# Altium PCB BlueberryPiCore.PcbDoc (part 1 of 3)
Units mm, origin at the board's own origin, x right, y up, seen from the top; angles counter-clockwise.
Board outline 31 x 24 mm, 6 copper layers (Top Layer, GND1, SIG1, SIG2, PWR, Bottom Layer), stack 0.748 mm thick; 90 components, 183 nets, 829 pads, 387 vias.
Unrouted connection lines stored in the file: 15.
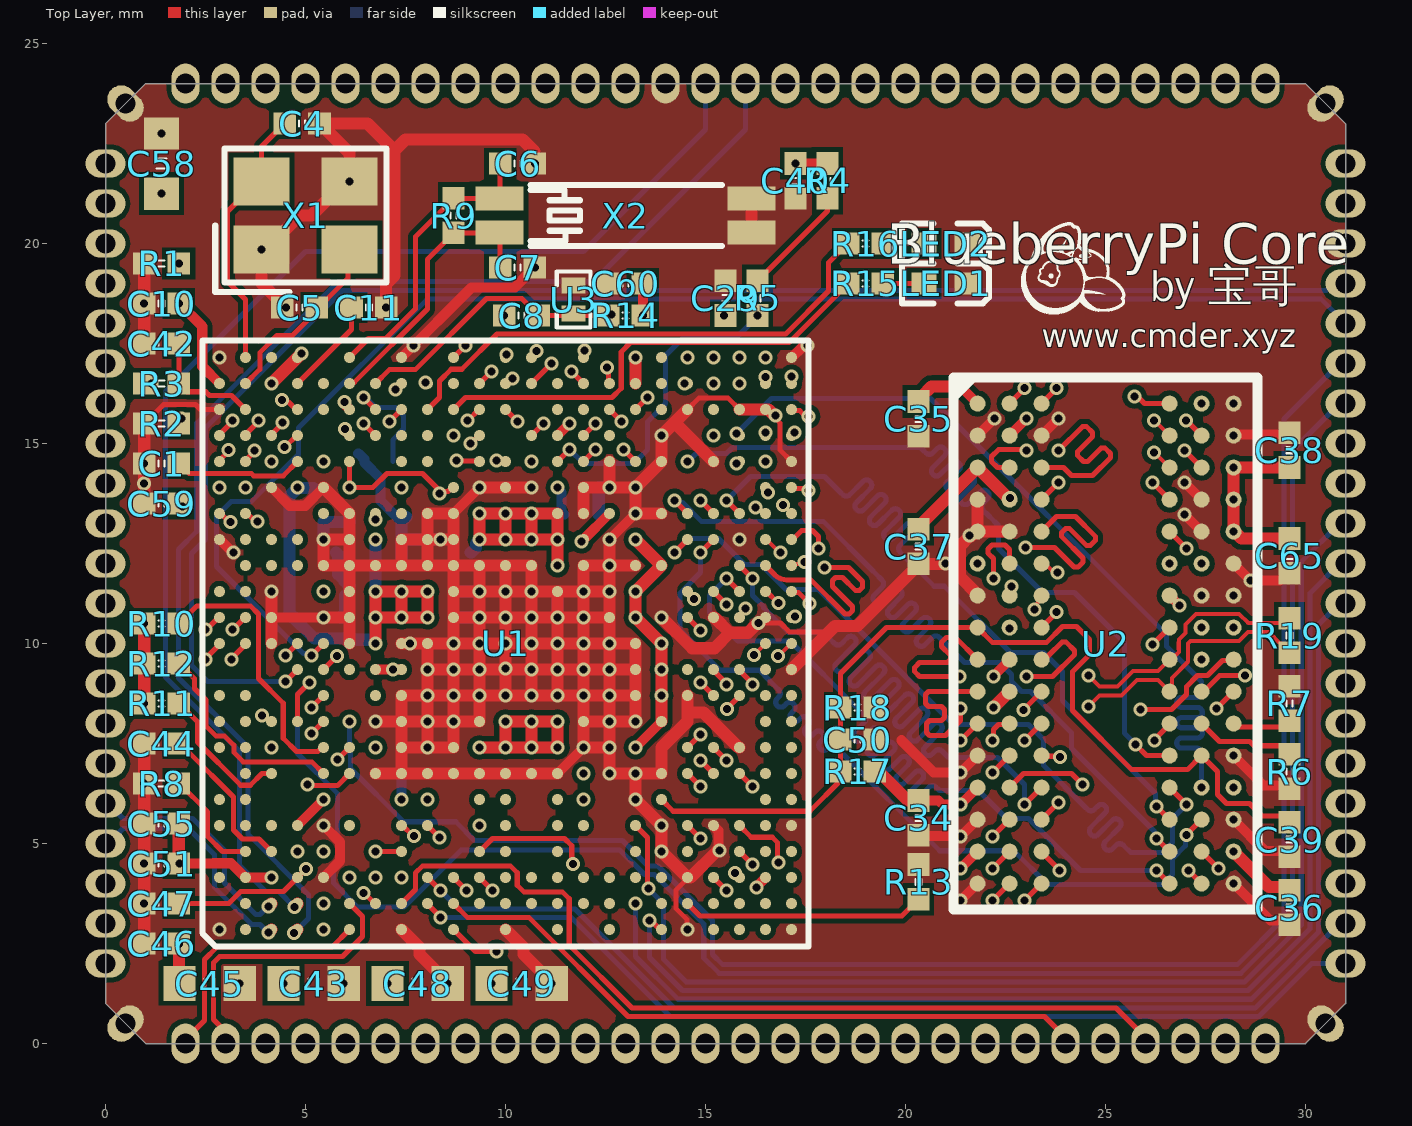
[diagram p0: Top Layer view]
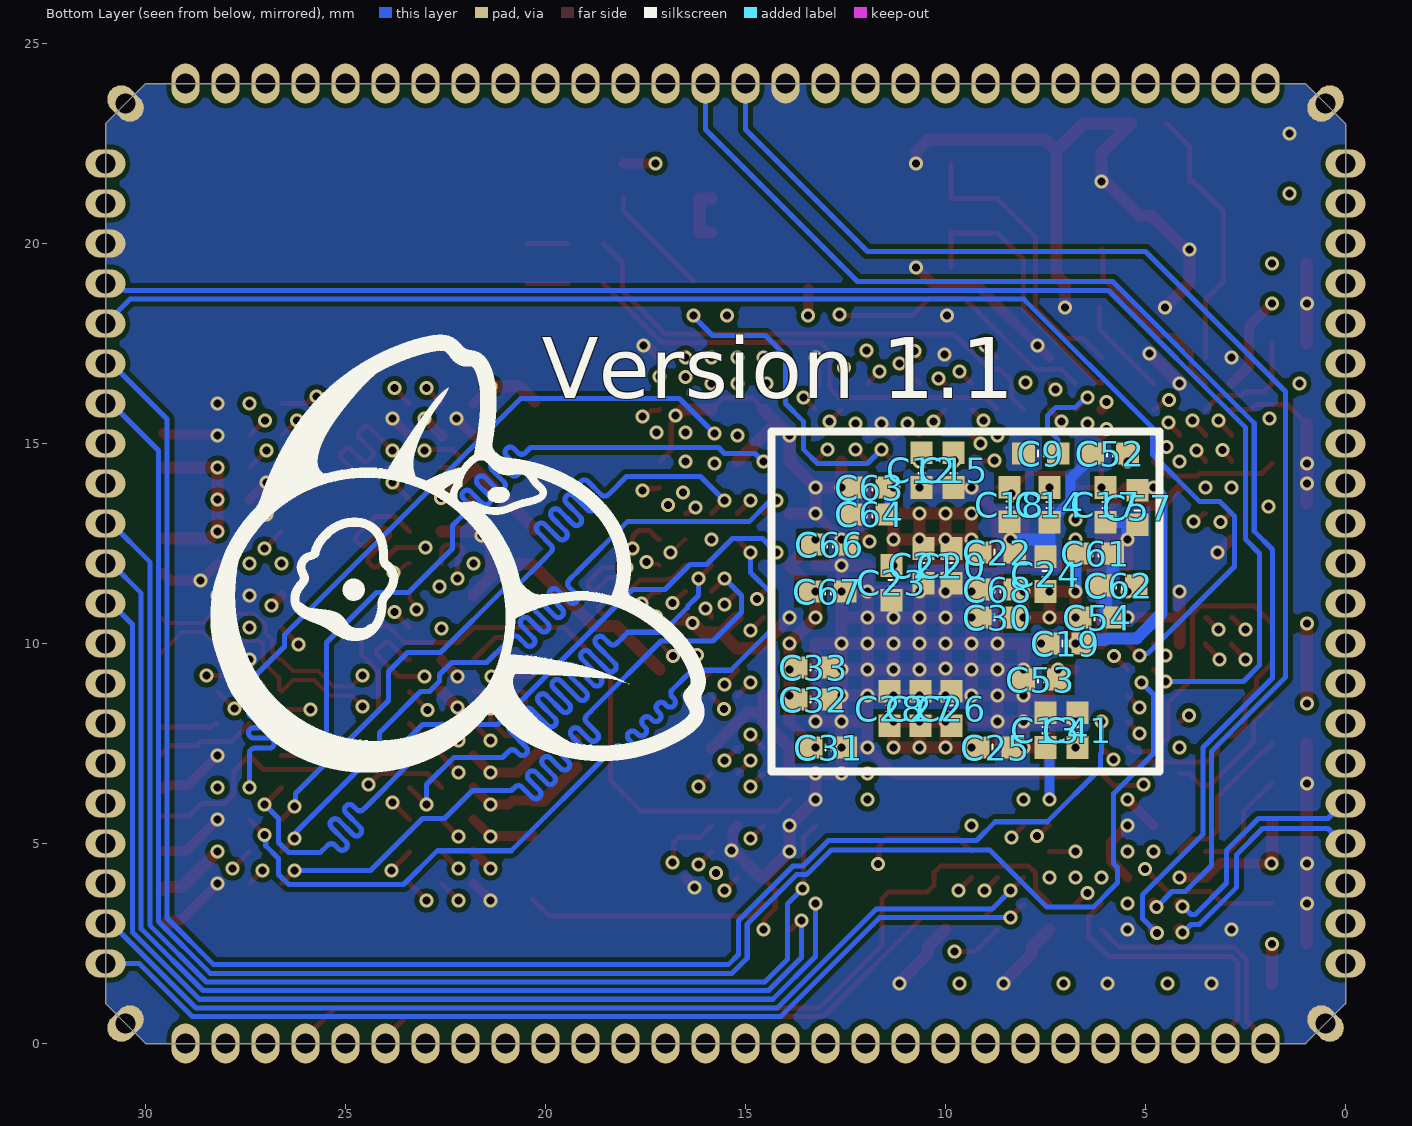
[diagram p1: Bottom Layer view, seen from below]
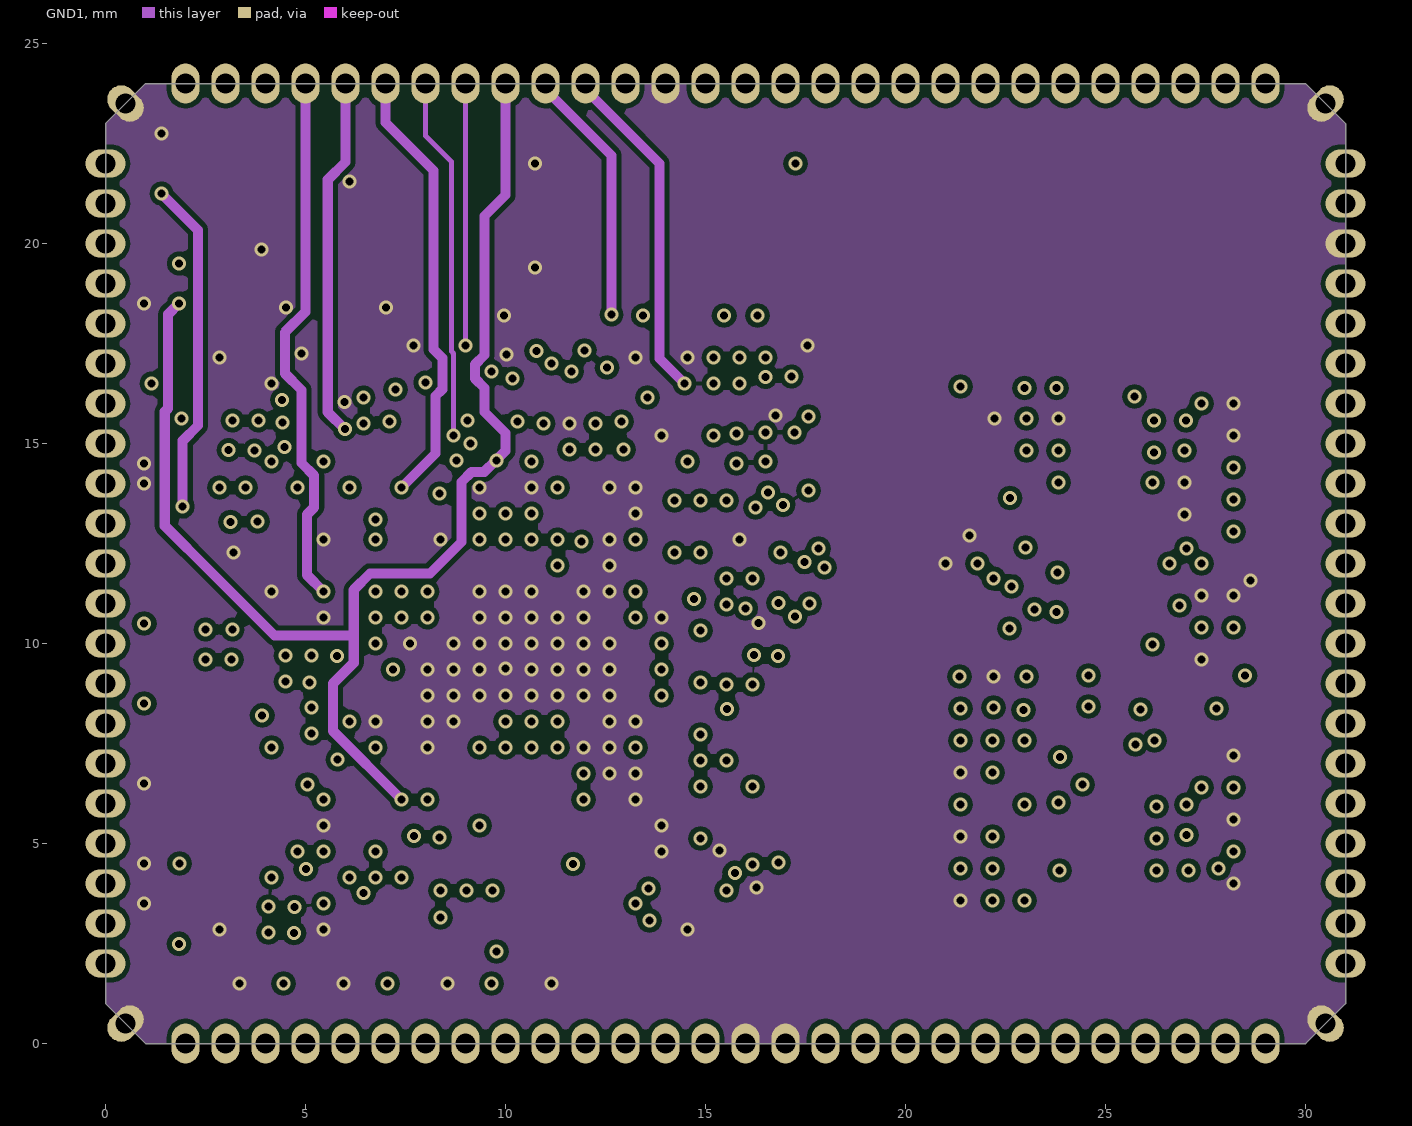
[diagram p2: GND1]
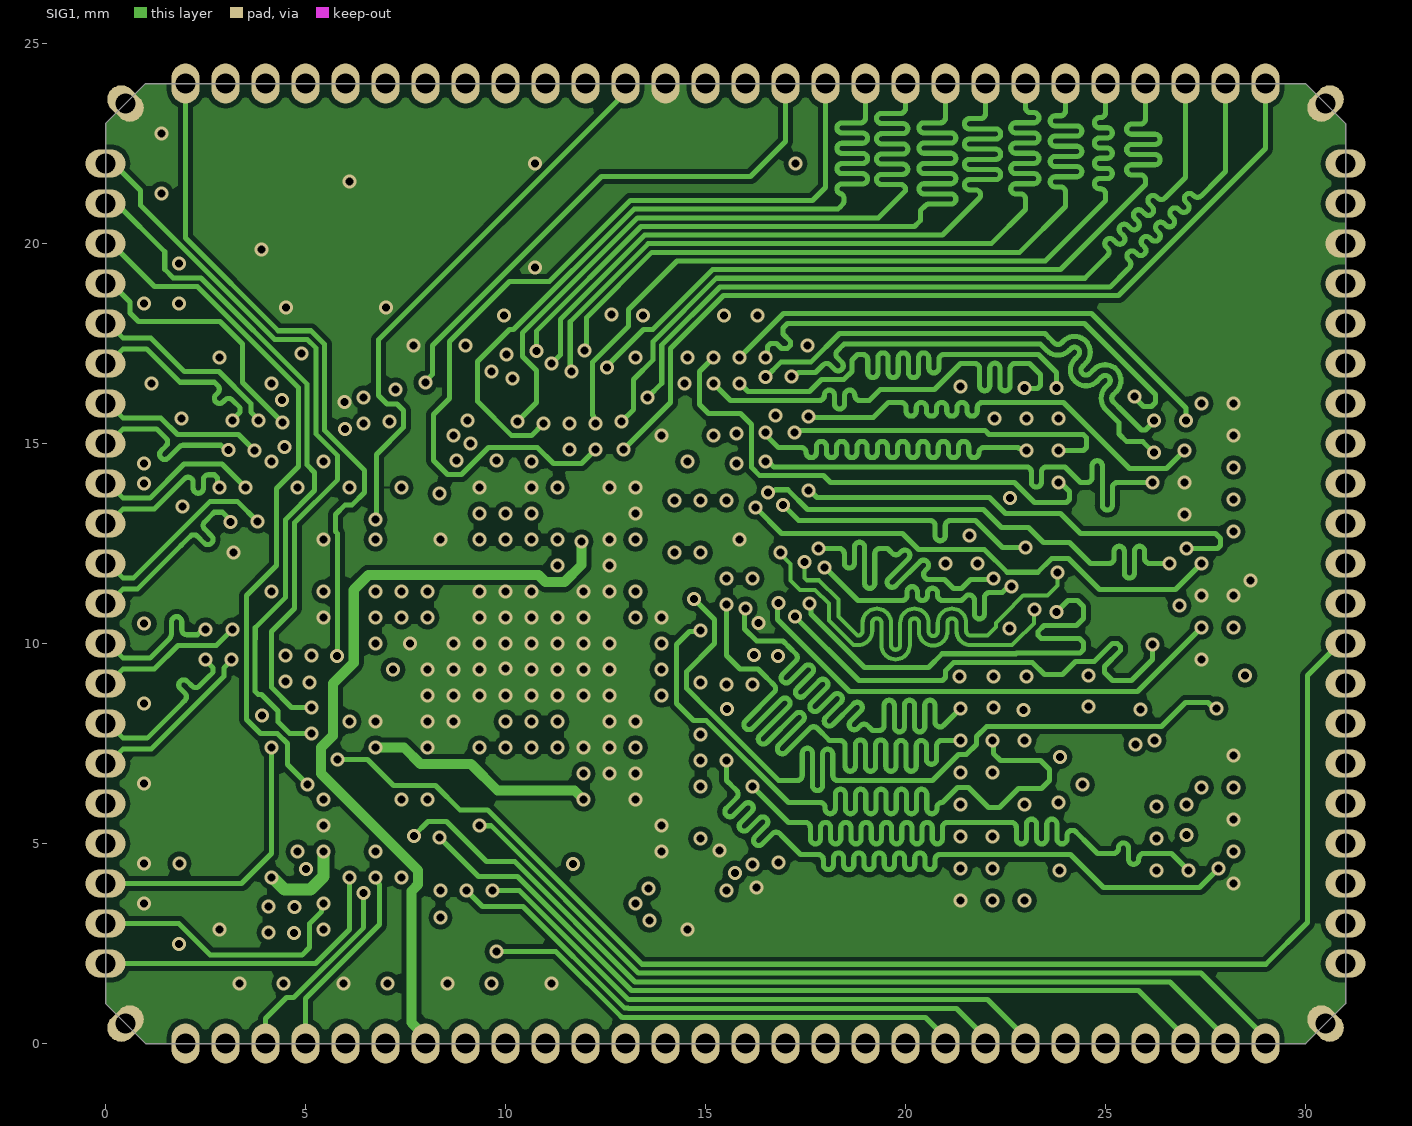
[diagram p3: SIG1]
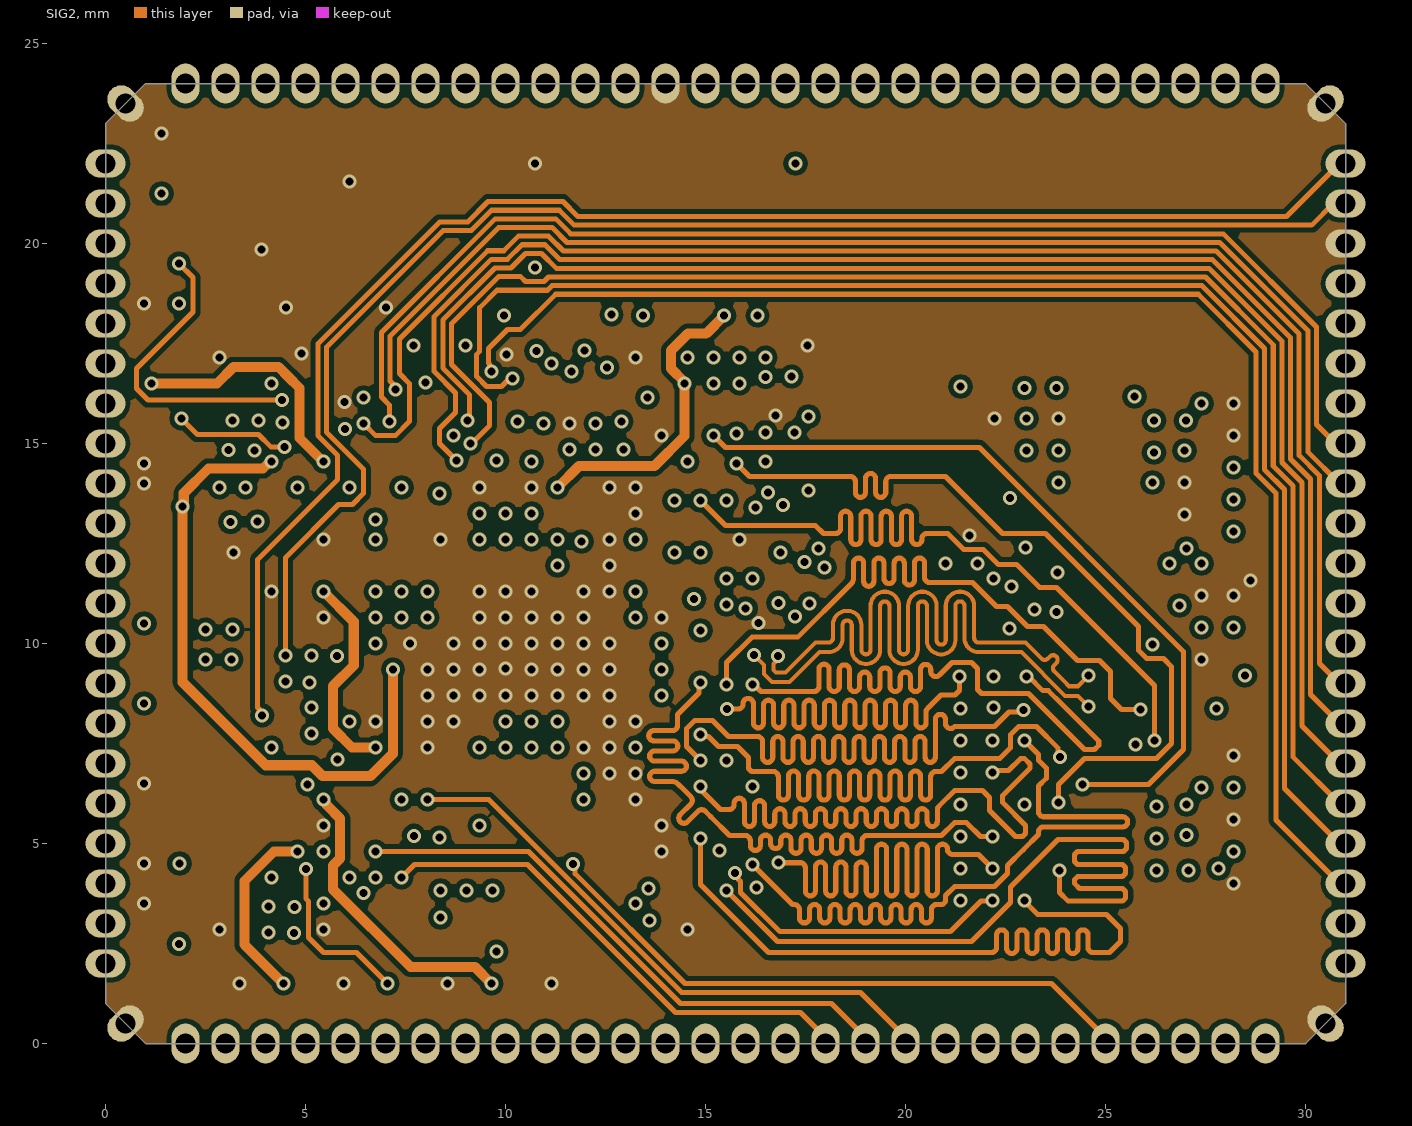
[diagram p4: SIG2]
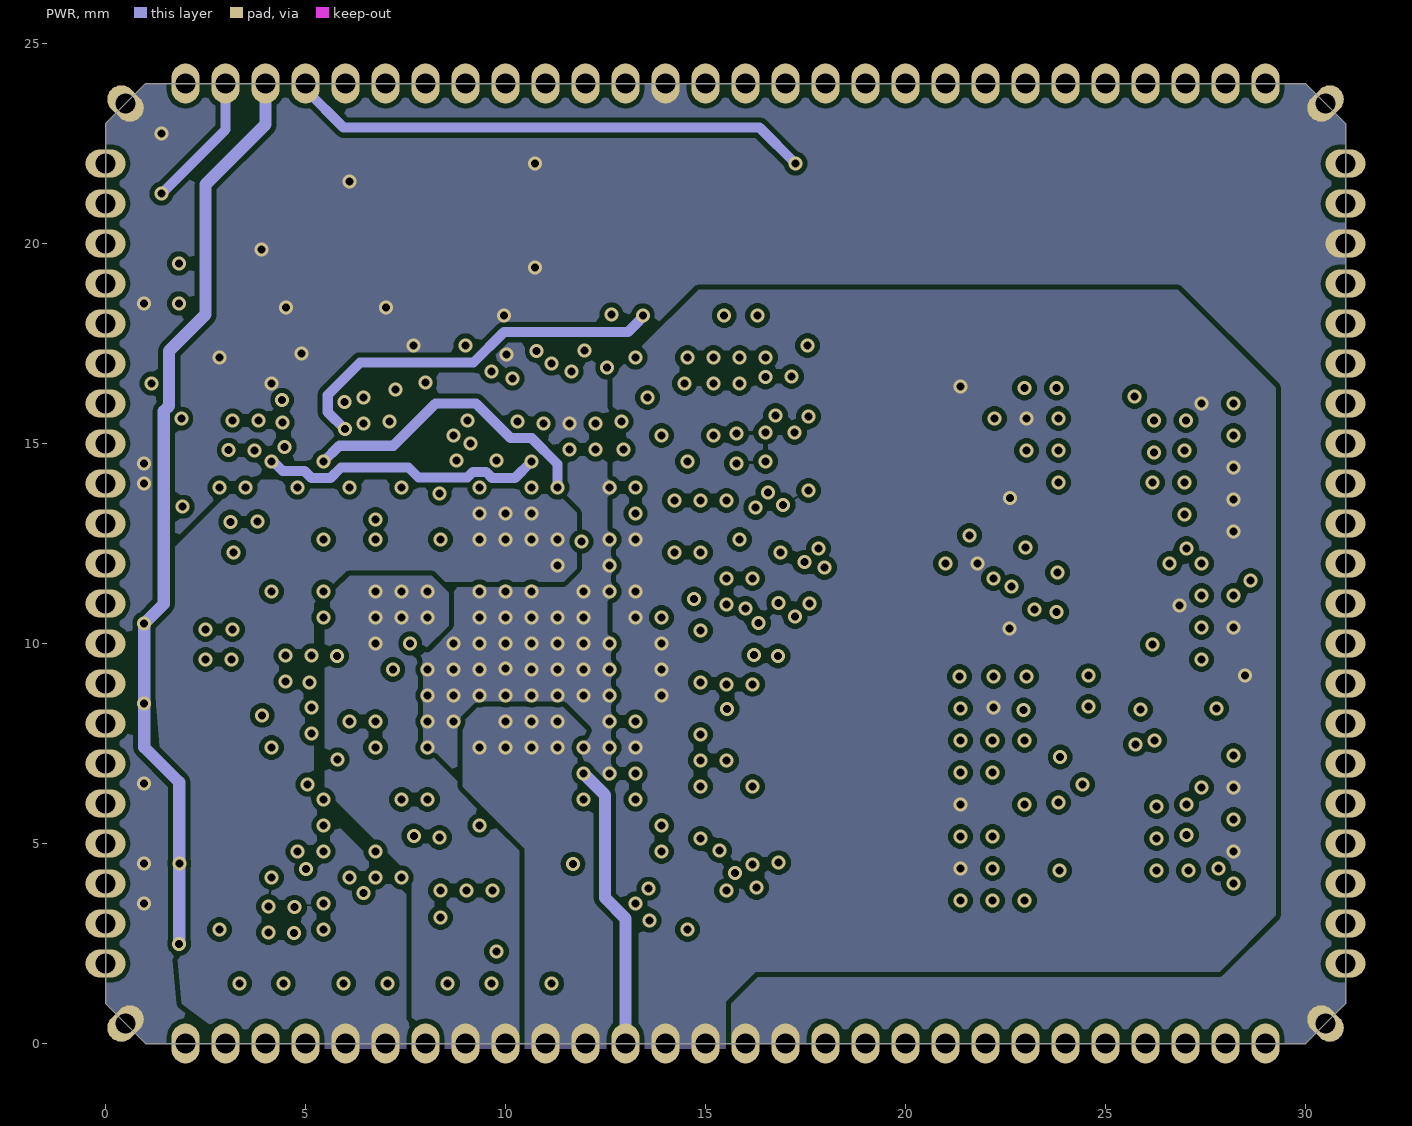
[diagram p5: PWR]

## Layer stack, top to bottom
Top Solder: solder mask 0.0102, Solder Resist, Dk 3.5
Top Layer: signal copper 0.0356
Dielectric 2: prepreg 0.0711, PP-006, Dk 4.1
GND1: signal copper 0.018
Dielectric 4: prepreg 0.0711, PP-006, Dk 4.1
SIG1: signal copper 0.018
Dielectric 1: dielectric 0.32, FR-4, Dk 4.8
SIG2: signal copper 0.018
Dielectric 5: prepreg 0.0711, PP-006, Dk 4.1
PWR: signal copper 0.018
Dielectric 3: prepreg 0.0711, PP-006, Dk 4.1
Bottom Layer: signal copper 0.0356
Bottom Solder: solder mask 0.0102, Solder Resist, Dk 3.5

## Board outline
1,0 0,1 0,23 1,24 30,24 31,23 31,1 30,0

## Design rules (kind name [scope] priority, off if disabled: settings)
Clearance Polygon [InPolygon] p1: gap=0.127 ignorepadtopadclearanceinfootprint=TRUE
Clearance [All] p2: gap=0.089 ignorepadtopadclearanceinfootprint=TRUE except(0.254: SMDPad-SMDPad)
ComponentClearance [All] p1 off: gap=0.254 collisioncheckmode=3 verticalgap=0.254 showdistances=FALSE
DiffPairsRouting [InDifferentialPairClass('All Differential Pairs')] p1: maxlimit=0.203 minlimit=0.127 mostfreqgap=0.14 toplayer_maxgap=0.127 toplayer_prefgap=0.127 toplayer_minwidth=0.102 toplayer_maxwidth=0.127 toplayer_prefwidth=0.102 midlayer1_mingap=0.14 midlayer1_minwidth=0.102 midlayer1_maxwidth=0.127 midlayer1_prefwidth=0.102 midlayer2_mingap=0.14 midlayer2_minwidth=0.102 midlayer2_maxwidth=0.127 midlayer2_prefwidth=0.102 midlayer3_mingap=0.14 midlayer3_minwidth=0.102 midlayer3_maxwidth=0.127 midlayer3_prefwidth=0.102 midlayer4_mingap=0.14 midlayer4_minwidth=0.102 midlayer4_maxwidth=0.127 midlayer4_prefwidth=0.102 bottomlayer_maxgap=0.127 bottomlayer_prefgap=0.127 bottomlayer_minwidth=0.102 bottomlayer_maxwidth=0.127 bottomlayer_prefwidth=0.102 maxuncoupledlength=12.7
FanoutControl Fanout_BGA [IsBGA] p1: bgadir=NE bgaviamode=Closest fanoutstyle=Auto fanoutdirection=Alternating viagrid=0.025 // Fanout_BGA (Default Rule)
HoleToHoleClearance [All] p1: gap=0.127 allowstackedmicrovias=TRUE
MinimumSolderMaskSliver [All] p1: minsoldermaskwidth=0
PolygonConnect [All] p1: connectstyle=Direct reliefconductorwidth=0.254 reliefentries=4 polygonreliefangle="90 Angle" airgapwidth=0.254
RoutingVias [All] p1: holewidth=0.3 width=0.4 viastyle="Through Hole" minholewidth=0.2 minwidth=0.35 maxholewidth=0.711 maxwidth=1.27
ShortCircuit [All] p1: allowed=TRUE
SilkToSilkClearance [All] p1: silktosilkclearance=0
SilkToSolderMaskClearance [IsPad] p1: minsilkscreentomaskgap=0 clearancetoexposedcopper=TRUE
SolderMaskExpansion [IsVia] p1: expansion=0.102 istentingtop=TRUE
Width [All] p1: maxlimit=1.016 minlimit=0.102 preferedwidth=0.127 minimp=50.000000 maximp=50.000000 favimp=50.000000
22 further rules are at their usual default settings.

## Classes and differential pairs
net class EMMC: EMMC-CLK EMMC-CMD EMMC-D0 EMMC-D1 EMMC-D2 EMMC-D3 EMMC-D4 EMMC-D5 EMMC-D6 EMMC-D7 EMMC-DS EMMC-RST
differential pair class 100ohm: HTX0 HTX1 HTX2 HTXC SCK SDQS0 SDQS1
differential pair class 90ohm: USB0 USB1 USB1-SSRX USB1-SSTX USB3
net class DDR3_CLK_CTL_CMD: SA0 SA1 SA2 SA3 SA4 SA5 SA6 SA7 SA8 SA9 SA10 SA11 SA12 SA13 SA14 SA15 SBA0 SBA1 SBA2 SCAS SCK_N SCK_P SCKE0 SCKE1 SCS0 SCS1 SODT0 SODT1 SRAS SWE
net class DDR3_SDQ8-15: SDQ8 SDQ9 SDQ10 SDQ11 SDQ12 SDQ13 SDQ14 SDQ15 SDQM1 SDQS1_N SDQS1_P
net class DDR3_SDQ0-7: SDQ0 SDQ1 SDQ2 SDQ3 SDQ4 SDQ5 SDQ6 SDQ7 SDQM0 SDQS0_N SDQS0_P
differential pair MIC1: +MIC1_P -MIC1_N
differential pair USB3: +USB3_P -USB3_N
differential pair USB0: +USB0_P -USB0_N
differential pair SDQS1: +SDQS1_P -SDQS1_N
differential pair SDQS0: +SDQS0_P -SDQS0_N
differential pair HTXC: +HTXC_P -HTXC_N
differential pair HTX2: +HTX2_P -HTX2_N
differential pair HTX1: +HTX1_P -HTX1_N
differential pair HTX0: +HTX0_P -HTX0_N
differential pair SCK: +SCK_P -SCK_N

## Components (designator, comment, footprint, x,y, rotation, side; value= is the part's Value field where it differs from the comment)
C1 "1uF" C0402 1.4,14.5 r180 top value=100nF
C4 "12pF" C0402 4.917,23 r0 top value=100nF
C5 "12pF" C0402 4.85,18.4 r180 top value=100nF
C6 "7pF" C0402 10.3,22 r0 top value=100nF
C7 "7pF" C0402 10.3,19.4 r0 top value=100nF
C8 "1nF" C0402 10.4,18.2 r0 top value=100nF
C9 "1nF" C0402 7.617,14.75 r180 bottom value=100nF
C10 "100nF" C0402 1.4,18.5 r0 top
C11 "220nF" C0402 6.583,18.4 r180 top value=100nF
C12 "100nF" C0402 10.6,14.333 r90 bottom
C13 "100nF" C0402 7.5,7.833 r270 bottom
C14 "100nF" C0402 7.4,13.467 r90 bottom
C15 "100nF" C0402 9.8,14.333 r90 bottom
C17 "4.7uF" C0402 6,13.467 r90 bottom value=100nF
C18 "100nF" C0402 8.4,13.475 r90 bottom
C19 "1uF" C0402 7,10 r180 bottom value=100nF
C20 "1uF" C0402 9.85,11.942 r90 bottom value=100nF
C21 "1uF" C0402 10.55,11.942 r90 bottom value=100nF
C22 "100nF" C0402 8.7,12.275 r0 bottom
C23 "100nF" C0402 11.35,11.517 r90 bottom
C24 "1uF" C0402 7.5,11.733 r270 bottom value=100nF
C25 "1uF" C0402 8.75,7.4 r0 bottom value=100nF
C26 "1uF" C0402 9.85,8.375 r270 bottom value=100nF
C27 "100nF" C0402 10.625,8.375 r270 bottom
C28 "100nF" C0402 11.4,8.375 r270 bottom
C29 "100nF" C0402 15.5,18.633 r270 top
C30 "100nF" C0402 8.7,10.65 r180 bottom
C31 "1uF" C0402 12.925,7.4 r0 bottom value=100nF
C32 "100nF" C0402 13.3,8.6 r0 bottom
C33 "100nF" C0402 13.3,9.4 r0 bottom
C34 "1uF" C0402 20.325,5.642 r90 top value=100nF
C35 "100nF" C0402 20.325,15.617 r90 top
C36 "100nF" C0402 29.6,3.4 r90 top
C37 "100nF" C0402 20.325,12.425 r90 top
C38 "100nF" C0402 29.6,14.833 r270 top
C39 "100nF" C0402 29.6,5.1 r90 top
C40 "1uF" C0402 17.25,21.567 r90 top value=100nF
C41 "100nF" C0402 6.7,7.833 r270 bottom
C42 "100nF" C0402 1.4,17.5 r0 top
C43 "4.7uF" C0603 5.2,1.5 r180 top value=100nF
C44 "100nF" C0402 1.4,7.5 r0 top
C45 "10uF" C0603 2.6,1.5 r180 top value=100nF
C46 "100nF" C0402 1.4,2.5 r0 top
C47 "100nF" C0402 1.4,3.5 r0 top
C48 "10uF" C0603 7.8,1.5 r180 top value=100nF
C49 "4.7uF" C0603 10.4,1.5 r180 top value=100nF
C50 "100nF" C0402 18.8,7.6 r180 top
C51 "100nF" C0402 1.4,4.5 r0 top
C52 "100nF" C0402 5.883,14.75 r180 bottom
C53 "100nF" C0402 7.617,9.1 r180 bottom
C54 "100nF" C0402 6.2,10.65 r0 bottom
C55 "100nF" C0402 1.4,5.5 r0 top
C57 "100nF" C0402 5.2,13.4 r90 bottom
C58 "4.7uF" C0603 1.4,22 r270 top value=100nF
C59 "100nF" C0402 1.4,13.5 r0 top
C60 "100nF" C0402 13,19 r0 top
C61 "100nF" C0402 6.25,12.25 r0 bottom
C62 "100nF" C0402 5.667,11.45 r180 bottom
C63 "100nF" C0402 11.9,13.9 r180 bottom
C64 "100nF" C0402 11.9,13.226 r180 bottom
C65 "100nF" C0402 29.6,12.192 r90 top
C66 "100nF" C0402 12.892,12.475 r0 bottom
C67 "100nF" C0402 12.942,11.3 r0 bottom
C68 "100nF" C0402 8.7,11.35 r180 bottom
LED1 "LED" LED0402-RD 21,19 r180 top
LED2 "LED" LED0402-RD 21,20 r180 top
R1 "150k" R0402 1.4,19.5 r180 top value=1kΩ
R2 "10k" R0402 1.4,15.5 r180 top value=1kΩ
R3 "1k" R0402 1.4,16.5 r180 top value=1kΩ
R4 "10k" R0402 18.05,21.567 r270 top value=1kΩ
R5 "1k" R0402 16.3,18.633 r270 top value=1kΩ
R6 "240" R0402 29.6,6.8 r90 top value=1kΩ
R7 "240" R0402 29.6,8.5 r270 top value=1kΩ
R8 "6k04" R0402 1.4,6.5 r0 top value=1kΩ
R9 "10M" R0402 8.7,20.7 r90 top value=1kΩ
R10 "2k" R0402 1.4,10.5 r180 top value=1kΩ
R11 "2k" R0402 1.4,8.5 r180 top value=1kΩ
R12 "10k" R0402 1.4,9.5 r180 top value=1kΩ
R13 "240" R0402 20.325,4.042 r270 top value=1kΩ
R14 "1k" R0402 13,18.2 r180 top value=1kΩ
R15 "330" R0402 19,19 r0 top value=1kΩ
R16 "330" R0402 19,20 r0 top value=1kΩ
R17 "2k" R0402 18.8,6.8 r0 top value=1kΩ
R18 "2k" R0402 18.8,8.4 r180 top value=1kΩ
R19 "100" R0402 29.6,10.2 r270 top value=1kΩ
U1 "Allwinner_H6" BGA451_ALLWINNER_H6 10,10 r90 top locked
U2 "DDR3" FBGA-96_L13.3-W7.5-R16-C6-P0.80-TL 25,10 r0 top locked
U3 "ESD5451N" DFN1006-2L_L1.0-W0.6-P0.70-BI 11.7,18.6 r270 top
X1 "X322524MOB4SI" CRYSTAL-SMD_4P-L3.2-W2.5-BL 5,20.7 r0 top value=24MHz
X2 "MC-14632.768kHz7.0pF20PPM" MC-146_4P-L6.7-W1.5-P0.85-TL 13,20.7 r0 top value=32.768kHz

## Footprints (in the part's own frame and the unit in brackets; to place one, negate y for a bottom-side part, rotate by r counter-clockwise, add the part's x,y. Pads: shape width x height; smd on the part's side, far side on the other; paste and mask are expansions set on the pad)
BGA451_ALLWINNER_H6 [mm]
  round 0.28 smd paste-100 mask+0.051: A1(-7.15,7.15) A3(-5.85,7.15) A5(-4.55,7.15) A6(-3.9,7.15) A8(-2.6,7.15) A9(-1.95,7.15) A10(-1.3,7.15) A12(0,7.15) A13(0.65,7.15) A14(1.3,7.15) A16(2.6,7.15) A17(3.25,7.15) A18(3.9,7.15) A19(4.55,7.15) A20(5.2,7.15) A21(5.85,7.15) A22(6.5,7.15) A23(7.15,7.15) AA1(-7.15,-5.85) AA2(-6.5,-5.85) AA3(-5.85,-5.85) AA4(-5.2,-5.85) AA5(-4.55,-5.85) AA7(-3.25,-5.85) AA8(-2.6,-5.85) AA10(-1.3,-5.85) AA11(-0.65,-5.85) AA13(0.65,-5.85) AA14(1.3,-5.85) AA15(1.95,-5.85) AA16(2.6,-5.85) AA17(3.25,-5.85) AA19(4.55,-5.85) AA20(5.2,-5.85) AA21(5.85,-5.85) AA22(6.5,-5.85) AA23(7.15,-5.85) AB1(-7.15,-6.5) AB2(-6.5,-6.5) AB3(-5.85,-6.5) AB4(-5.2,-6.5) AB5(-4.55,-6.5) AB6(-3.9,-6.5) AB7(-3.25,-6.5) AB8(-2.6,-6.5) AB9(-1.95,-6.5) AB10(-1.3,-6.5) AB11(-0.65,-6.5) AB12(0,-6.5) AB13(0.65,-6.5) AB14(1.3,-6.5) AB15(1.95,-6.5) AB16(2.6,-6.5) AB17(3.25,-6.5) AB18(3.9,-6.5) AB19(4.55,-6.5) AB20(5.2,-6.5) AB21(5.85,-6.5) AB22(6.5,-6.5) AB23(7.15,-6.5) AC1(-7.15,-7.15) AC2(-6.5,-7.15) AC3(-5.85,-7.15) AC4(-5.2,-7.15) AC5(-4.55,-7.15) AC6(-3.9,-7.15) AC7(-3.25,-7.15) AC8(-2.6,-7.15) AC9(-1.95,-7.15) AC10(-1.3,-7.15) AC11(-0.65,-7.15) AC12(0,-7.15) AC13(0.65,-7.15) AC14(1.3,-7.15) AC15(1.95,-7.15) AC16(2.6,-7.15) AC17(3.25,-7.15) AC18(3.9,-7.15) AC19(4.55,-7.15) AC20(5.2,-7.15) AC21(5.85,-7.15) AC22(6.5,-7.15) AC23(7.15,-7.15) B1(-7.15,6.5) B2(-6.5,6.5) B3(-5.85,6.5) B4(-5.2,6.5) B5(-4.55,6.5) B6(-3.9,6.5) B7(-3.25,6.5) B8(-2.6,6.5) B9(-1.95,6.5) B10(-1.3,6.5) B12(0,6.5) B13(0.65,6.5) B14(1.3,6.5) B15(1.95,6.5) B16(2.6,6.5) B17(3.25,6.5) B18(3.9,6.5) B19(4.55,6.5) B20(5.2,6.5) B21(5.85,6.5) B22(6.5,6.5) B23(7.15,6.5) C1(-7.15,5.85) C2(-6.5,5.85) C3(-5.85,5.85) C4(-5.2,5.85) C5(-4.55,5.85) C7(-3.25,5.85) C8(-2.6,5.85) C9(-1.95,5.85) C12(0,5.85) C13(0.65,5.85) C14(1.3,5.85) C15(1.95,5.85) C16(2.6,5.85) C18(3.9,5.85) C19(4.55,5.85) C20(5.2,5.85) C22(6.5,5.85) C23(7.15,5.85) D1(-7.15,5.2) D2(-6.5,5.2) D3(-5.85,5.2) D4(-5.2,5.2) D5(-4.55,5.2) D9(-1.95,5.2) D11(-0.65,5.2) D12(0,5.2) D15(1.95,5.2) D16(2.6,5.2) D18(3.9,5.2) D19(4.55,5.2) D20(5.2,5.2) D21(5.85,5.2) D22(6.5,5.2) D23(7.15,5.2) E1(-7.15,4.55) E2(-6.5,4.55) E3(-5.85,4.55) E4(-5.2,4.55) E5(-4.55,4.55) E6(-3.9,4.55) E7(-3.25,4.55) E8(-2.6,4.55) E9(-1.95,4.55) E10(-1.3,4.55) E11(-0.65,4.55) E12(0,4.55) E13(0.65,4.55) E14(1.3,4.55) E15(1.95,4.55) E16(2.6,4.55) E17(3.25,4.55) E18(3.9,4.55) E19(4.55,4.55) E21(5.85,4.55) E22(6.5,4.55) F1(-7.15,3.9) F2(-6.5,3.9) F3(-5.85,3.9) F5(-4.55,3.9) F7(-3.25,3.9) F8(-2.6,3.9) F9(-1.95,3.9) F11(-0.65,3.9) F12(0,3.9) F13(0.65,3.9) F14(1.3,3.9) F15(1.95,3.9) F16(2.6,3.9) F17(3.25,3.9) F19(4.55,3.9) F20(5.2,3.9) F21(5.85,3.9) F22(6.5,3.9) F23(7.15,3.9) G2(-6.5,3.25) G3(-5.85,3.25) G7(-3.25,3.25) G8(-2.6,3.25) G9(-1.95,3.25) G10(-1.3,3.25) G11(-0.65,3.25) G12(0,3.25) G13(0.65,3.25) G14(1.3,3.25) G15(1.95,3.25) G16(2.6,3.25) G17(3.25,3.25) G20(5.2,3.25) G21(5.85,3.25) G22(6.5,3.25) H1(-7.15,2.6) H2(-6.5,2.6) H3(-5.85,2.6) H4(-5.2,2.6) H5(-4.55,2.6) H6(-3.9,2.6) H7(-3.25,2.6) H8(-2.6,2.6) H9(-1.95,2.6) H10(-1.3,2.6) H11(-0.65,2.6) H12(0,2.6) H13(0.65,2.6) H14(1.3,2.6) H15(1.95,2.6) H16(2.6,2.6) H17(3.25,2.6) H18(3.9,2.6) H19(4.55,2.6) H20(5.2,2.6) H21(5.85,2.6) H22(6.5,2.6) H23(7.15,2.6) J2(-6.5,1.95) J3(-5.85,1.95) J5(-4.55,1.95) J6(-3.9,1.95) J7(-3.25,1.95) J8(-2.6,1.95) J9(-1.95,1.95) J10(-1.3,1.95) J11(-0.65,1.95) J12(0,1.95) J13(0.65,1.95) J14(1.3,1.95) J15(1.95,1.95) J16(2.6,1.95) J17(3.25,1.95) J19(4.55,1.95) J20(5.2,1.95) J21(5.85,1.95) J22(6.5,1.95) K1(-7.15,1.3) K2(-6.5,1.3) K3(-5.85,1.3) K7(-3.25,1.3) K8(-2.6,1.3) K9(-1.95,1.3) K10(-1.3,1.3) K11(-0.65,1.3) K12(0,1.3) K13(0.65,1.3) K14(1.3,1.3) K15(1.95,1.3) K16(2.6,1.3) K17(3.25,1.3) K18(3.9,1.3) K20(5.2,1.3) K21(5.85,1.3) K22(6.5,1.3) K23(7.15,1.3) L2(-6.5,0.65) L3(-5.85,0.65) L4(-5.2,0.65) L5(-4.55,0.65) L6(-3.9,0.65) L7(-3.25,0.65) L8(-2.6,0.65) L9(-1.95,0.65) L10(-1.3,0.65) L11(-0.65,0.65) L12(0,0.65) L13(0.65,0.65) L14(1.3,0.65) L15(1.95,0.65) L16(2.6,0.65) L17(3.25,0.65) L18(3.9,0.65) L19(4.55,0.65) L20(5.2,0.65) L21(5.85,0.65) L22(6.5,0.65) M1(-7.15,0) M2(-6.5,0) M3(-5.85,0) M4(-5.2,0) M5(-4.55,0) M6(-3.9,0) M7(-3.25,0) M8(-2.6,0) M9(-1.95,0) M10(-1.3,0) M11(-0.65,0) M12(0,0) M13(0.65,0) M14(1.3,0) M15(1.95,0) M16(2.6,0) M17(3.25,0) M18(3.9,0) M19(4.55,0) M21(5.85,0) M22(6.5,0) N2(-6.5,-0.65) N3(-5.85,-0.65) N7(-3.25,-0.65) N8(-2.6,-0.65) N9(-1.95,-0.65) N10(-1.3,-0.65) N11(-0.65,-0.65) N12(0,-0.65) N13(0.65,-0.65) N14(1.3,-0.65) N15(1.95,-0.65) N16(2.6,-0.65) N17(3.25,-0.65) N18(3.9,-0.65) N19(4.55,-0.65) N20(5.2,-0.65) N22(6.5,-0.65) N23(7.15,-0.65) P1(-7.15,-1.3) P2(-6.5,-1.3) P3(-5.85,-1.3) P4(-5.2,-1.3) P5(-4.55,-1.3) P6(-3.9,-1.3) P7(-3.25,-1.3) P8(-2.6,-1.3) P9(-1.95,-1.3) P10(-1.3,-1.3) P11(-0.65,-1.3) P12(0,-1.3) P13(0.65,-1.3) P14(1.3,-1.3) P15(1.95,-1.3) P16(2.6,-1.3) P17(3.25,-1.3) P18(3.9,-1.3) P19(4.55,-1.3) P20(5.2,-1.3) P21(5.85,-1.3) P22(6.5,-1.3) R2(-6.5,-1.95) R3(-5.85,-1.95) R5(-4.55,-1.95) R6(-3.9,-1.95) R7(-3.25,-1.95) R8(-2.6,-1.95) R9(-1.95,-1.95) R10(-1.3,-1.95) R11(-0.65,-1.95) R12(0,-1.95) R13(0.65,-1.95) R14(1.3,-1.95) R15(1.95,-1.95) R16(2.6,-1.95) R17(3.25,-1.95) R18(3.9,-1.95) R19(4.55,-1.95) R20(5.2,-1.95) R21(5.85,-1.95) R22(6.5,-1.95) R23(7.15,-1.95) T1(-7.15,-2.6) T2(-6.5,-2.6) T3(-5.85,-2.6) T7(-3.25,-2.6) T8(-2.6,-2.6) T9(-1.95,-2.6) T10(-1.3,-2.6) T11(-0.65,-2.6) T12(0,-2.6) T13(0.65,-2.6) T14(1.3,-2.6) T15(1.95,-2.6) T16(2.6,-2.6) T17(3.25,-2.6) T18(3.9,-2.6) T19(4.55,-2.6) T20(5.2,-2.6) T21(5.85,-2.6) T22(6.5,-2.6) U2(-6.5,-3.25) U3(-5.85,-3.25) U4(-5.2,-3.25) U5(-4.55,-3.25) U6(-3.9,-3.25) U7(-3.25,-3.25) U8(-2.6,-3.25) U9(-1.95,-3.25) U10(-1.3,-3.25) U11(-0.65,-3.25) U12(0,-3.25) U13(0.65,-3.25) U14(1.3,-3.25) U15(1.95,-3.25) U16(2.6,-3.25) U17(3.25,-3.25) U18(3.9,-3.25) U19(4.55,-3.25) U21(5.85,-3.25) U22(6.5,-3.25) U23(7.15,-3.25) V1(-7.15,-3.9) V2(-6.5,-3.9) V3(-5.85,-3.9) V5(-4.55,-3.9) V6(-3.9,-3.9) V7(-3.25,-3.9) V9(-1.95,-3.9) V10(-1.3,-3.9) V11(-0.65,-3.9) V13(0.65,-3.9) V15(1.95,-3.9) V17(3.25,-3.9) V19(4.55,-3.9) V20(5.2,-3.9) V21(5.85,-3.9) V22(6.5,-3.9) V23(7.15,-3.9) W1(-7.15,-4.55) W2(-6.5,-4.55) W3(-5.85,-4.55) W4(-5.2,-4.55) W5(-4.55,-4.55) W7(-3.25,-4.55) W8(-2.6,-4.55) W10(-1.3,-4.55) W11(-0.65,-4.55) W13(0.65,-4.55) W14(1.3,-4.55) W16(2.6,-4.55) W17(3.25,-4.55) W19(4.55,-4.55) W21(5.85,-4.55) W22(6.5,-4.55) W23(7.15,-4.55) Y1(-7.15,-5.2) Y2(-6.5,-5.2) Y3(-5.85,-5.2) Y5(-4.55,-5.2) Y7(-3.25,-5.2) Y8(-2.6,-5.2) Y10(-1.3,-5.2) Y11(-0.65,-5.2) Y13(0.65,-5.2) Y14(1.3,-5.2) Y16(2.6,-5.2) Y17(3.25,-5.2) Y19(4.55,-5.2) Y20(5.2,-5.2) Y21(5.85,-5.2) Y22(6.5,-5.2) Y23(7.15,-5.2)